# Altium PCB qfc.PcbDoc (part 12 of 13)
Units mil, origin at the board's own origin, x right, y up, seen from the top; angles counter-clockwise.
Board outline 1990 x 2620 mil, 4 copper layers (Top Layer, Mid-Layer 1, Mid-Layer 2, Bottom Layer); 217 components, 187 nets, 805 pads, 370 vias.
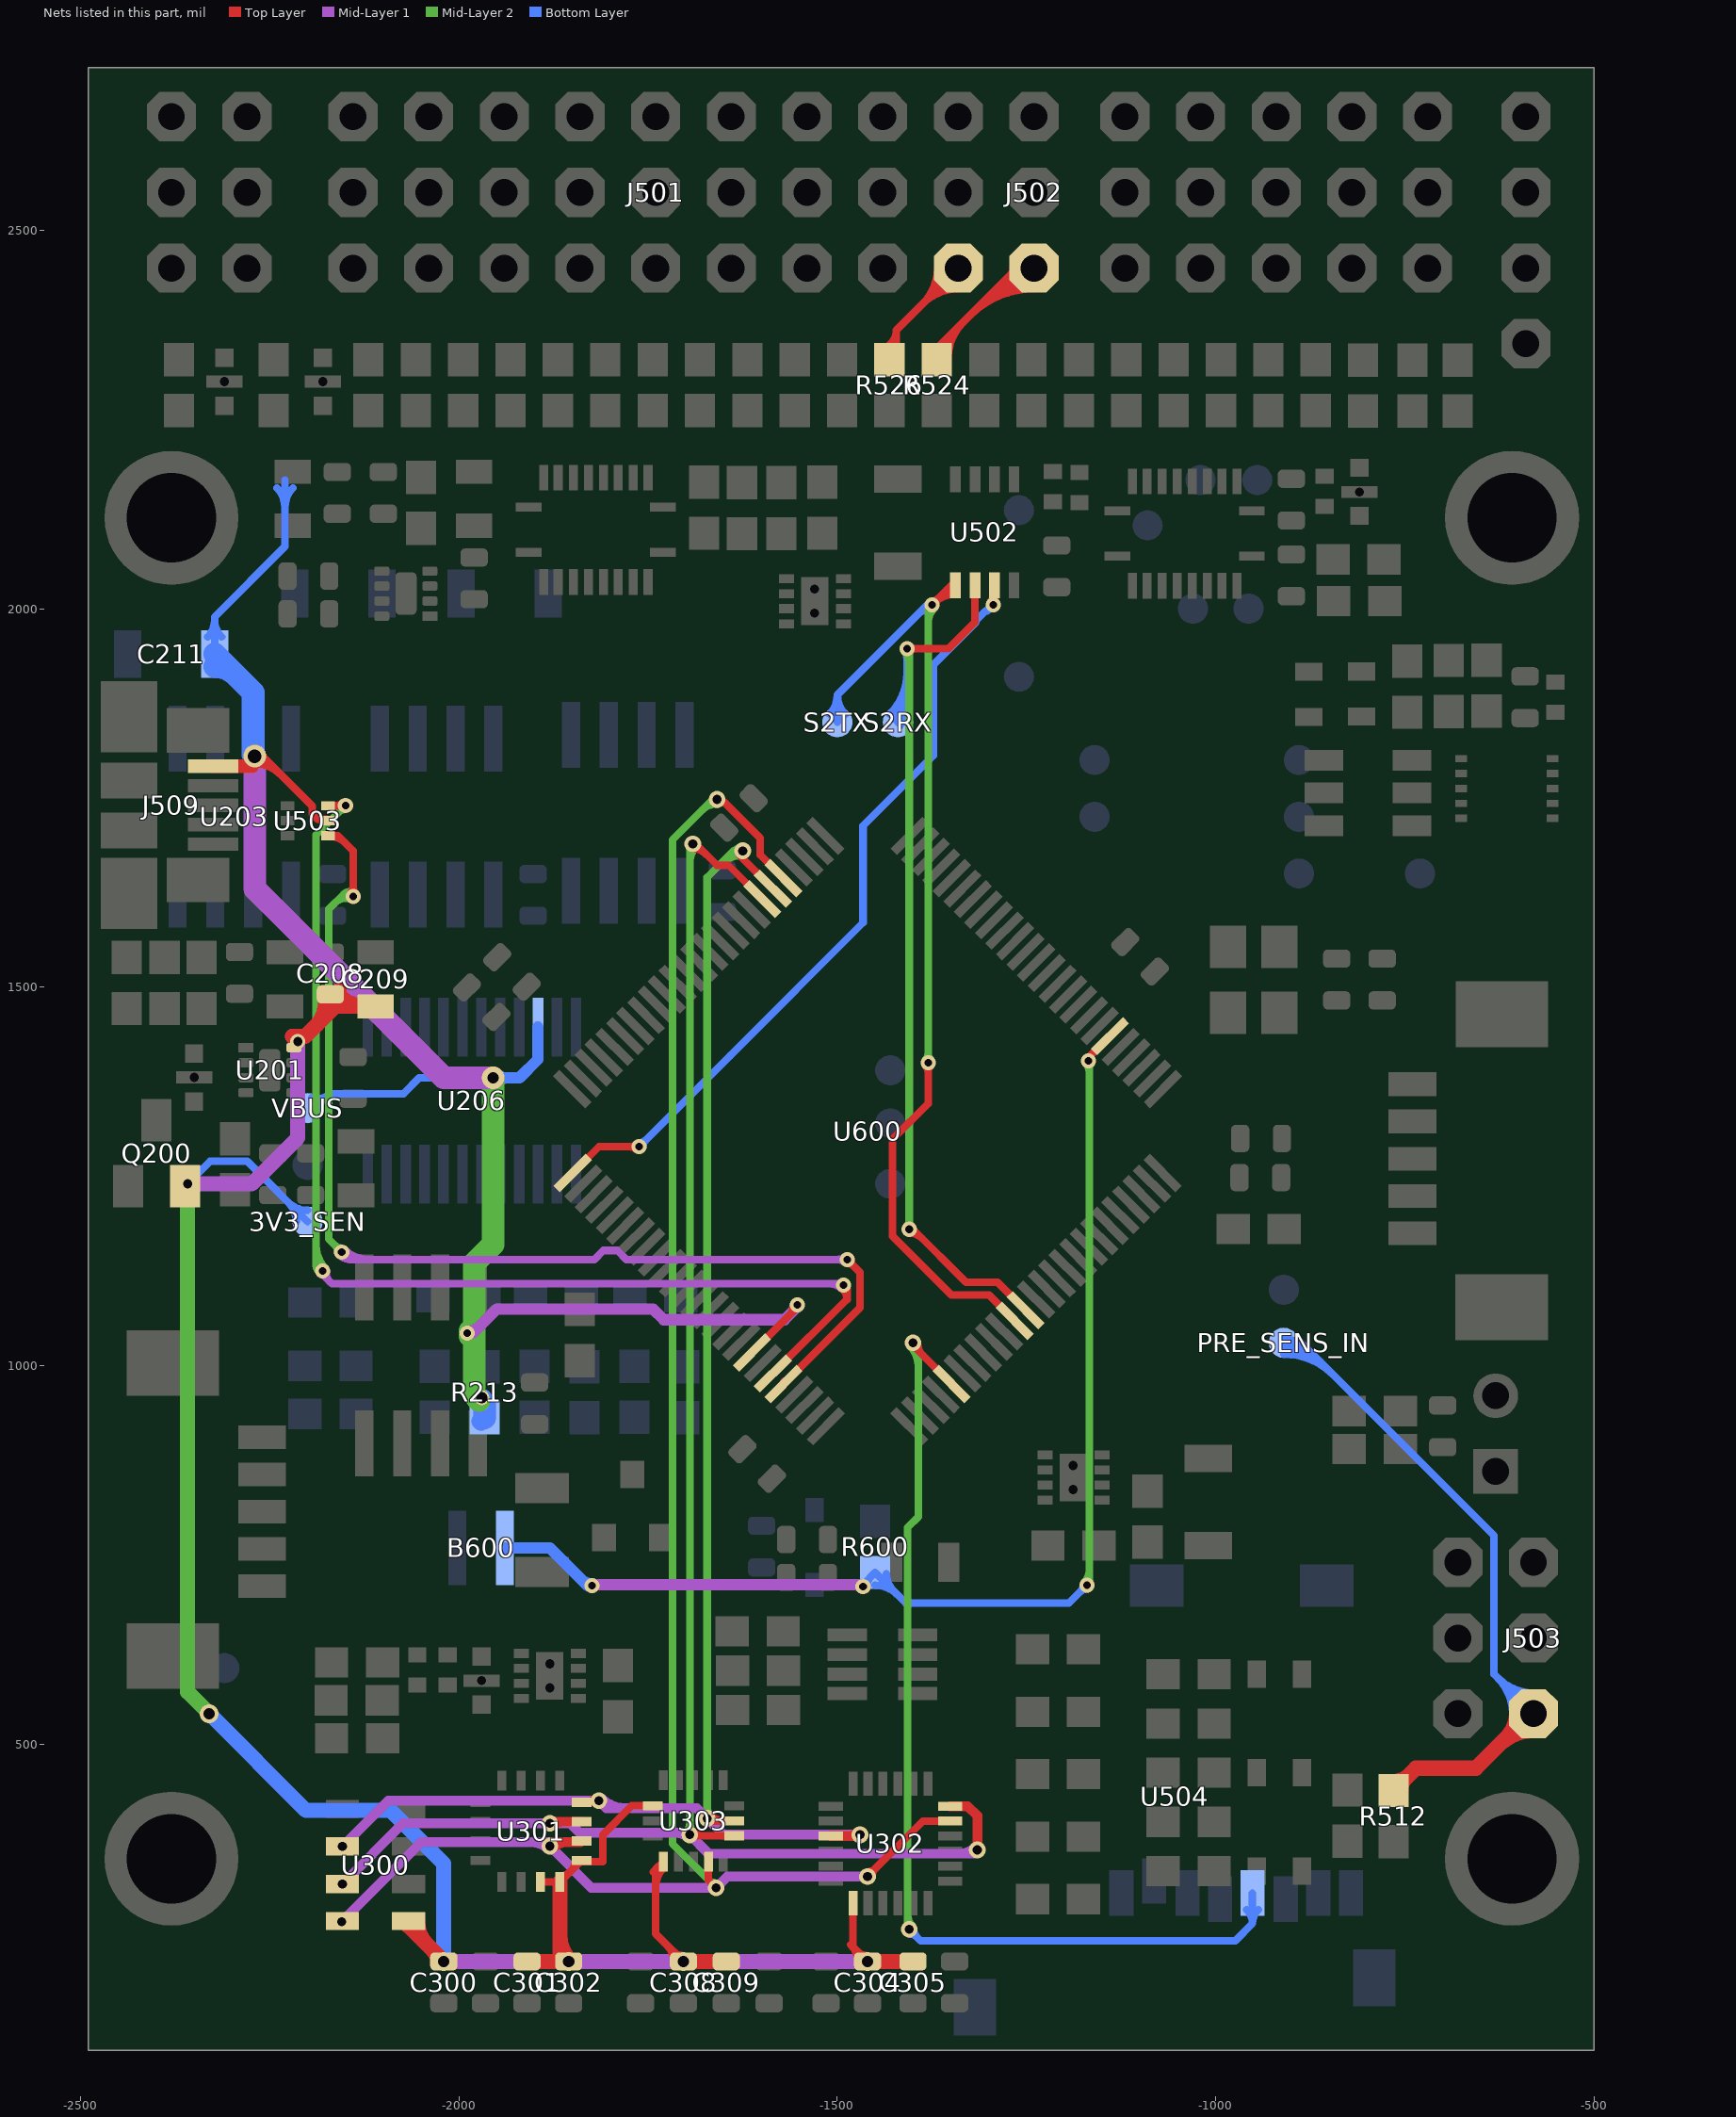
[diagram p14: the nets of this part, all layers, seen from the top]

## Via types
v1: diameter 20, hole 10, Top Layer to Bottom Layer, tented both sides, 256 vias
v2: diameter 22, hole 12, Top Layer to Bottom Layer, tented both sides, 31 vias
v3: diameter 25, hole 15, Top Layer to Bottom Layer, tented both sides, 29 vias
v4: diameter 20, hole 12, Top Layer to Bottom Layer, tented both sides, 17 vias
v5: diameter 30, hole 15, Top Layer to Bottom Layer, tented both sides, 12 vias
v6: diameter 25, hole 12, Top Layer to Bottom Layer, tented both sides, 11 vias
v7: diameter 25, hole 13, Top Layer to Bottom Layer, tented both sides, 5 vias
v8: diameter 40, hole 25, Top Layer to Bottom Layer, tented both sides, 2 vias
v9: diameter 23, hole 13, Top Layer to Bottom Layer, tented both sides, 2 vias
v10: diameter 30, hole 20, Top Layer to Bottom Layer, tented both sides, 2 vias
v11: diameter 20, hole 13, Top Layer to Bottom Layer, tented both sides, 1 vias
v12: diameter 20, hole 15, Top Layer to Bottom Layer, tented both sides, 1 vias
v13: diameter 30, hole 18, Top Layer to Bottom Layer, tented both sides, 1 vias

## Nets (pads, with @x,y where several pads share a name; then routed paths per layer and width w, separated by ;. In a path a pad name is that pad's centre, name@x,y a point inside that pad or via, vN(x,y) a via of type N, cw(c..) or ccw(c..) an arc to the next point about the centre after c; other vN are vias at no path point) (continued)
NetU502_7: U502.7 U600.51 | length 1389.2
  Top Layer w10: U600.51@-1849.77,1254.3 -1815.07,1289 v1(-1762,1289) ; v1(-1294,2005) U502.7@-1294,2029.2 ; -1774.07,1289 cw(c-1774.07,1276.93) v1@-1765.54,1285.46 ; -1774.07,1289 ccw(c-1774.07,1301.07) v1@-1765.54,1292.54 ; -1774.07,1289 cw(c-1774.07,1276.93) v1@-1765.54,1285.46 ; -1774.07,1289 ccw(c-1774.07,1301.07) v1@-1765.54,1292.54 ; -1774.07,1289 cw(c-1774.07,1276.93) v1@-1765.54,1285.46 ; -1774.07,1289 ccw(c-1774.07,1301.07) v1@-1765.54,1292.54 ; -1774.07,1289 cw(c-1774.07,1276.93) v1@-1765.54,1285.46 ; -1774.07,1289 ccw(c-1774.07,1301.07) v1@-1765.54,1292.54 ; v1@-1297.54,2008.54 ccw(c-1306.07,2017.07) U502.7@-1294,2017.07 ; v1@-1297.54,2008.54 ccw(c-1306.07,2017.07) U502.7@-1294,2017.07 ; v1@-1297.54,2008.54 ccw(c-1306.07,2017.07) U502.7@-1294,2017.07 ; v1@-1297.54,2008.54 ccw(c-1306.07,2017.07) U502.7@-1294,2017.07 ; v1@-1294,2011.83 cw(c-1283.04,2011.83) U502.7@-1290.79,2019.59 ; v1@-1294,2011.83 cw(c-1283.04,2011.83) U502.7@-1290.79,2019.59 ; v1@-1294,2011.83 cw(c-1283.04,2011.83) U502.7@-1290.79,2019.59 ; v1@-1294,2011.83 cw(c-1283.04,2011.83) U502.7@-1290.79,2019.59 ; U502.7@-1294,2017.07 ccw(c-1281.93,2017.07) v1@-1290.46,2008.54 ; U502.7@-1294,2017.07 ccw(c-1281.93,2017.07) v1@-1290.46,2008.54 ; U502.7@-1294,2017.07 ccw(c-1281.93,2017.07) v1@-1290.46,2008.54 ; U502.7@-1294,2017.07 ccw(c-1281.93,2017.07) v1@-1290.46,2008.54
  Bottom Layer w10: v1(-1762,1289) -1642,1409 -1642,1409.11 -1466,1585.11 -1466,1713 -1372.89,1806.11 -1372.89,1926.11 -1317,1982 -1317,1984.11 -1304.11,1997 -1302,1997 v1(-1294,2005) ; v1@-1762,1294 ccw(c-1762,1306.07) -1753.46,1297.54 ; v1@-1762,1294 ccw(c-1762,1306.07) -1753.46,1297.54 ; v1@-1762,1294 ccw(c-1762,1306.07) -1753.46,1297.54 ; v1@-1762,1294 ccw(c-1762,1306.07) -1753.46,1297.54 ; v1@-1757,1289 cw(c-1744.93,1289) -1753.46,1297.54 ; v1@-1757,1289 cw(c-1744.93,1289) -1753.46,1297.54 ; v1@-1757,1289 cw(c-1744.93,1289) -1753.46,1297.54 ; v1@-1757,1289 cw(c-1744.93,1289) -1753.46,1297.54 ; -1306.14,1994.97 cw(c-1294,1982.83) v1@-1294,2000 ; -1306.14,1994.97 cw(c-1294,1982.83) v1@-1294,2000 ; -1306.14,1994.97 cw(c-1294,1982.83) v1@-1294,2000 ; -1306.14,1994.97 cw(c-1294,1982.83) v1@-1294,2000 ; -1305.17,1995.94 cw(c-1295.27,1986.05) v1@-1294.34,2000.01 ; -1305.17,1995.94 cw(c-1295.27,1986.05) v1@-1294.34,2000.01 ; -1305.17,1995.94 cw(c-1295.27,1986.05) v1@-1294.34,2000.01
NetU503_4: U503.4 U600.71 | length 2393.1
  Top Layer w10: U503.4@-2173,1700 -2160,1700 -2140,1680 v1(-2140,1620) ; U600.71@-1571.02,978.37 U600.71@-1571.02,975.54 -1470,1076.55 -1470,1123 v1(-1487,1140) ; U503.4@-2170,1699 cw(c-2170,1672.44) -2151.22,1691.22 ; U503.4@-2170,1699 cw(c-2170,1672.44) -2151.22,1691.22 ; U503.4@-2170,1699 cw(c-2170,1672.44) -2151.22,1691.22 ; U503.4@-2170,1699 cw(c-2170,1672.44) -2151.22,1691.22 ; U503.4@-2169.75,1699.03 cw(c-2165.91,1684.09) -2155,1695 ; U503.4@-2169.75,1699.03 cw(c-2165.91,1684.09) -2155,1695 ; U503.4@-2169.75,1699.03 cw(c-2165.91,1684.09) -2155,1695 ; U503.4@-2169.75,1699.03 cw(c-2165.91,1684.09) -2155,1695 ; v1@-2143.54,1623.54 ccw(c-2152.07,1632.07) -2140,1632.07 ; v1@-2143.54,1623.54 ccw(c-2152.07,1632.07) -2140,1632.07 ; v1@-2143.54,1623.54 ccw(c-2152.07,1632.07) -2140,1632.07 ; v1@-2143.54,1623.54 ccw(c-2152.07,1632.07) -2140,1632.07 ; -2140,1632.07 ccw(c-2127.93,1632.07) v1@-2136.46,1623.54 ; -2140,1632.07 ccw(c-2127.93,1632.07) v1@-2136.46,1623.54 ; -2140,1632.07 ccw(c-2127.93,1632.07) v1@-2136.46,1623.54 ; -2140,1632.07 ccw(c-2127.93,1632.07) v1@-2136.46,1623.54 ; v1@-1487,1135 cw(c-1487,1122.93) -1478.46,1131.46 ; v1@-1487,1135 cw(c-1487,1122.93) -1478.46,1131.46 ; v1@-1487,1135 cw(c-1487,1122.93) -1478.46,1131.46 ; v1@-1487,1135 cw(c-1487,1122.93) -1478.46,1131.46 ; v1@-1482,1140 ccw(c-1469.93,1140) -1478.46,1131.46 ; v1@-1482,1140 ccw(c-1469.93,1140) -1478.46,1131.46 ; v1@-1482,1140 ccw(c-1469.93,1140) -1478.46,1131.46 ; v1@-1482,1140 ccw(c-1469.93,1140) -1478.46,1131.46
  Mid-Layer 1 w10: v1(-2155,1150) -2145,1140 -1821.11,1140 -1809.11,1152 -1790.89,1152 -1778.89,1140 v1(-1487,1140) ; v1@-2158.54,1146.46 ccw(c-2142.93,1162.07) -2142.93,1140 ; v1@-2158.54,1146.46 ccw(c-2142.93,1162.07) -2142.93,1140 ; v1@-2158.54,1146.46 ccw(c-2142.93,1162.07) -2142.93,1140 ; v1@-2158.54,1146.46 ccw(c-2142.93,1162.07) -2142.93,1140 ; v1@-2151.46,1153.54 ccw(c-2118.79,1186.21) -2118.79,1140 ; v1@-2151.46,1153.54 ccw(c-2118.79,1186.21) -2118.79,1140 ; v1@-2151.46,1153.54 ccw(c-2118.79,1186.21) -2118.79,1140 ; v1@-2151.46,1153.54 ccw(c-2118.79,1186.21) -2118.79,1140 ; -1499.07,1140 cw(c-1499.07,1127.93) v1@-1490.54,1136.46 ; -1499.07,1140 ccw(c-1499.07,1152.07) v1@-1490.54,1143.54 ; -1499.07,1140 cw(c-1499.07,1127.93) v1@-1490.54,1136.46 ; -1499.07,1140 ccw(c-1499.07,1152.07) v1@-1490.54,1143.54 ; -1499.07,1140 cw(c-1499.07,1127.93) v1@-1490.54,1136.46 ; -1499.07,1140 ccw(c-1499.07,1152.07) v1@-1490.54,1143.54 ; -1499.07,1140 cw(c-1499.07,1127.93) v1@-1490.54,1136.46 ; -1499.07,1140 ccw(c-1499.07,1152.07) v1@-1490.54,1143.54
  Mid-Layer 2 w10: v1(-2155,1150) -2172,1167 -2172,1603 -2155,1620 v1(-2140,1620) ; -2163.54,1158.54 cw(c-2172.07,1150) v1@-2160,1150 ; -2163.54,1158.54 ccw(c-2155,1167.07) v1@-2155,1155 ; -2163.54,1158.54 cw(c-2172.07,1150) v1@-2160,1150 ; -2163.54,1158.54 ccw(c-2155,1167.07) v1@-2155,1155 ; -2163.54,1158.54 cw(c-2172.07,1150) v1@-2160,1150 ; -2163.54,1158.54 ccw(c-2155,1167.07) v1@-2155,1155 ; -2163.54,1158.54 cw(c-2172.07,1150) v1@-2160,1150 ; -2163.54,1158.54 ccw(c-2155,1167.07) v1@-2155,1155 ; -2162.5,1612.5 cw(c-2150.32,1600.32) v1@-2142.32,1615.57 ; -2162.5,1612.5 cw(c-2150.32,1600.32) v1@-2142.32,1615.57 ; -2162.5,1612.5 cw(c-2150.32,1600.32) v1@-2142.32,1615.57 ; -2162.5,1612.5 cw(c-2150.32,1600.32) v1@-2142.32,1615.57 ; -2152.89,1622.11 cw(c-2143.71,1612.93) v1@-2137.68,1624.43 ; -2152.89,1622.11 cw(c-2143.71,1612.93) v1@-2137.68,1624.43 ; -2152.89,1622.11 cw(c-2143.71,1612.93) v1@-2137.68,1624.43 ; -2152.89,1622.11 cw(c-2143.71,1612.93) v1@-2137.68,1624.43 ; -2152.07,1620 cw(c-2152.07,1607.93) v1@-2143.54,1616.46 ; -2152.07,1620 ccw(c-2152.07,1632.07) v1@-2143.54,1623.54 ; -2152.07,1620 cw(c-2152.07,1607.93) v1@-2143.54,1616.46 ; -2152.07,1620 ccw(c-2152.07,1632.07) v1@-2143.54,1623.54 ; -2152.07,1620 cw(c-2152.07,1607.93) v1@-2143.54,1616.46 ; -2152.07,1620 ccw(c-2152.07,1632.07) v1@-2143.54,1623.54 ; -2152.07,1620 cw(c-2152.07,1607.93) v1@-2143.54,1616.46 ; -2152.07,1620 ccw(c-2152.07,1632.07) v1@-2143.54,1623.54
NetU503_6: U503.6 U600.70 | length 2046
  Top Layer w10: U503.6@-2173,1739.68 v1@-2150.32,1739.68 ; U600.70@-1585.16,989.68 -1487,1087.84 -1487,1101 v1(-1492,1106) ; -2162.84,1739.68 ccw(c-2162.84,1752.84) v1@-2153.54,1743.54 ; -2162.84,1739.68 ccw(c-2162.84,1752.84) v1@-2153.54,1743.54 ; -2162.84,1739.68 ccw(c-2162.84,1752.84) v1@-2153.54,1743.54 ; -2162.84,1739.68 ccw(c-2162.84,1752.84) v1@-2153.54,1743.54 ; -2161.31,1739.68 cw(c-2161.31,1728.69) v1@-2153.54,1736.46 ; -2161.31,1739.68 cw(c-2161.31,1728.69) v1@-2153.54,1736.46 ; -2161.31,1739.68 cw(c-2161.31,1728.69) v1@-2153.54,1736.46 ; -2161.31,1739.68 cw(c-2161.31,1728.69) v1@-2153.54,1736.46 ; v1@-1494.8,1101.86 cw(c-1504.74,1087.16) -1487,1087.16 ; v1@-1494.8,1101.86 cw(c-1504.74,1087.16) -1487,1087.16 ; v1@-1494.8,1101.86 cw(c-1504.74,1087.16) -1487,1087.16 ; v1@-1494.8,1101.86 cw(c-1504.74,1087.16) -1487,1087.16
  Mid-Layer 1 w10: v1@-2180,1120 -2168,1108 -1493,1108 -1492,1107 -1491,1107 v1(-1492,1106) ; v1@-2175.05,1124.27 ccw(c-2159.09,1121.91) -2170.5,1110.5 ; v1@-2175.05,1124.27 ccw(c-2159.09,1121.91) -2170.5,1110.5 ; v1@-2175.05,1124.27 ccw(c-2159.09,1121.91) -2170.5,1110.5 ; v1@-2175.05,1124.27 ccw(c-2159.09,1121.91) -2170.5,1110.5 ; -1508.9,1108 cw(c-1508.9,1089.1) v1@-1495.54,1102.46 ; -1508.9,1108 cw(c-1508.9,1089.1) v1@-1495.54,1102.46 ; -1508.9,1108 cw(c-1508.9,1089.1) v1@-1495.54,1102.46 ; -1508.9,1108 cw(c-1508.9,1089.1) v1@-1495.54,1102.46
  Mid-Layer 2 w10: v1(-2180,1125) -2189,1134 -2189,1701 v1(-2150,1740) ; -2189,1134.66 ccw(c-2170.34,1134.66) v1@-2183.54,1121.46 ; -2189,1134.66 ccw(c-2170.34,1134.66) v1@-2183.54,1121.46 ; -2189,1134.66 ccw(c-2170.34,1134.66) v1@-2183.54,1121.46 ; -2189,1134.66 ccw(c-2170.34,1134.66) v1@-2183.54,1121.46 ; -2189,1158.8 ccw(c-2146.2,1158.8) v1@-2176.46,1128.54 ; -2189,1158.8 ccw(c-2146.2,1158.8) v1@-2176.46,1128.54 ; -2189,1158.8 ccw(c-2146.2,1158.8) v1@-2176.46,1128.54 ; -2189,1158.8 ccw(c-2146.2,1158.8) v1@-2176.46,1128.54 ; -2158.54,1731.46 cw(c-2150,1722.93) v1@-2150,1735 ; -2158.54,1731.46 ccw(c-2167.07,1740) v1@-2155,1740 ; -2158.54,1731.46 cw(c-2150,1722.93) v1@-2150,1735 ; -2158.54,1731.46 ccw(c-2167.07,1740) v1@-2155,1740 ; -2158.54,1731.46 cw(c-2150,1722.93) v1@-2150,1735 ; -2158.54,1731.46 ccw(c-2167.07,1740) v1@-2155,1740 ; -2158.54,1731.46 cw(c-2150,1722.93) v1@-2150,1735 ; -2158.54,1731.46 ccw(c-2167.07,1740) v1@-2155,1740
NetU504_5: U504.5 U600.80 | length 1817.1
  Top Layer w10: v2@-1400,1026.56 U600.80@-1348.98,975.54 ; v2@-1394,1030 ccw(c-1371.2,1030) -1387.32,1013.88 ; v2@-1394,1030 ccw(c-1371.2,1030) -1387.32,1013.88 ; v2@-1394,1030 ccw(c-1371.2,1030) -1387.32,1013.88 ; v2@-1394,1030 ccw(c-1371.2,1030) -1387.32,1013.88
  Mid-Layer 2 w10: v2(-1405,255) -1407,257 -1407,786 -1393,800 -1393,1023 v2(-1400,1030) ; -1407,274.31 ccw(c-1385.69,274.31) v2@-1400.76,259.24 ; -1407,274.31 ccw(c-1385.69,274.31) v2@-1400.76,259.24 ; -1407,274.31 ccw(c-1385.69,274.31) v2@-1400.76,259.24 ; -1407,274.31 ccw(c-1385.69,274.31) v2@-1400.76,259.24 ; v2@-1404.24,1025.76 cw(c-1431.38,998.62) -1393,998.62 ; v2@-1404.24,1025.76 cw(c-1431.38,998.62) -1393,998.62 ; v2@-1404.24,1025.76 cw(c-1431.38,998.62) -1393,998.62 ; v2@-1404.24,1025.76 cw(c-1431.38,998.62) -1393,998.62
  Bottom Layer w10: v2(-1405,255) -1390,240 -974,240 -951.32,262.68 ; U504.5@-951.32,303 -951.32,262.68 ; v2@-1405,249 cw(c-1405,234.51) -1394.76,244.76 ; v2@-1405,249 cw(c-1405,234.51) -1394.76,244.76 ; v2@-1405,249 cw(c-1405,234.51) -1394.76,244.76 ; v2@-1399,255 ccw(c-1384.51,255) -1394.76,244.76 ; v2@-1399,255 ccw(c-1384.51,255) -1394.76,244.76 ; v2@-1399,255 ccw(c-1384.51,255) -1394.76,244.76 ; U504.5@-959.04,281.17 cw(c-977.29,262.69) -951.32,262.69 ; U504.5@-959.04,281.17 cw(c-977.29,262.69) -951.32,262.69 ; U504.5@-959.04,281.17 cw(c-977.29,262.69) -951.32,262.69 ; -951.32,262.69 cw(c-925.34,262.69) U504.5@-943.59,281.17 ; -951.32,262.69 cw(c-925.34,262.69) U504.5@-943.59,281.17 ; -951.32,262.69 cw(c-925.34,262.69) U504.5@-943.59,281.17
PPM/SBUS_IN: J502.1 R524.2 | length 1616.5
  Top Layer w10: R524.2@-1368.52,2329 -1368.52,2343.48 -1262,2450 J502.1@-1240,2450 ; R524.2@-1363.52,2331 cw(c-1321.32,2331) -1351.16,2360.84 ; R524.2@-1363.52,2331 cw(c-1321.32,2331) -1351.16,2360.84 ; R524.2@-1363.52,2331 cw(c-1321.32,2331) -1351.16,2360.84 ; R524.2@-1363.52,2331 cw(c-1321.32,2331) -1351.16,2360.84 ; R524.2@-1353.52,2331 cw(c-1287.18,2331) -1334.09,2377.91 ; R524.2@-1353.52,2331 cw(c-1287.18,2331) -1334.09,2377.91 ; R524.2@-1353.52,2331 cw(c-1287.18,2331) -1334.09,2377.91 ; R524.2@-1353.52,2331 cw(c-1287.18,2331) -1334.09,2377.91 ; -1324.5,2387.5 cw(c-1240,2303) J502.1@-1240,2422.5 ; -1324.5,2387.5 cw(c-1240,2303) J502.1@-1240,2422.5 ; -1324.5,2387.5 cw(c-1240,2303) J502.1@-1240,2422.5 ; -1324.5,2387.5 cw(c-1240,2303) J502.1@-1240,2422.5 ; -1307.43,2404.57 cw(c-1240,2337.14) J502.1@-1240,2432.5 ; -1307.43,2404.57 cw(c-1240,2337.14) J502.1@-1240,2432.5 ; -1307.43,2404.57 cw(c-1240,2337.14) J502.1@-1240,2432.5 ; -1307.43,2404.57 cw(c-1240,2337.14) J502.1@-1240,2432.5 ; -1290.36,2421.64 cw(c-1240,2371.28) J502.1@-1240,2442.5 ; -1290.36,2421.64 cw(c-1240,2371.28) J502.1@-1240,2442.5 ; -1290.36,2421.64 cw(c-1240,2371.28) J502.1@-1240,2442.5 ; -1290.36,2421.64 cw(c-1240,2371.28) J502.1@-1240,2442.5 ; -1273.29,2438.71 cw(c-1240,2405.43) J502.1@-1240,2452.5 ; -1273.29,2438.71 cw(c-1240,2405.43) J502.1@-1240,2452.5 ; -1273.29,2438.71 cw(c-1240,2405.43) J502.1@-1240,2452.5 ; -1273.29,2438.71 cw(c-1240,2405.43) J502.1@-1240,2452.5 ; J502.1@-1271.39,2440.61 ccw(c-1280.78,2450) J502.1@-1267.5,2450 ; J502.1@-1271.39,2440.61 ccw(c-1280.78,2450) J502.1@-1267.5,2450 ; J502.1@-1271.39,2440.61 ccw(c-1280.78,2450) J502.1@-1267.5,2450 ; J502.1@-1271.39,2440.61 ccw(c-1280.78,2450) J502.1@-1267.5,2450
PRESSURE_SENS_IN: J503.1 PRE_SENS_IN.P$1 R512.1 | length 2555.5
  Top Layer w20: R512.1@-765,438.43 -735.43,468 -656,468 J503.1@-584,540 ; J503.1@-582,538 J503.1@-580,540 ; R512.1@-765,450.43 ccw(c-765,479.4) -744.51,458.91 ; R512.1@-765,450.43 ccw(c-765,479.4) -744.51,458.91 ; R512.1@-765,450.43 ccw(c-765,479.4) -744.51,458.91 ; R512.1@-755,440.43 cw(c-735.69,440.43) R512.1@-749.34,454.08 ; R512.1@-755,440.43 cw(c-735.69,440.43) R512.1@-749.34,454.08 ; R512.1@-755,440.43 cw(c-735.69,440.43) R512.1@-749.34,454.08 ; -625.24,498.76 cw(c-580,453.53) J503.1@-580,517.5 ; -625.24,498.76 cw(c-580,453.53) J503.1@-580,517.5 ; -625.24,498.76 cw(c-580,453.53) J503.1@-580,517.5 ; -615.58,508.42 ccw(c-647.16,540) J503.1@-602.5,540 ; -615.58,508.42 ccw(c-647.16,540) J503.1@-602.5,540 ; -615.58,508.42 ccw(c-647.16,540) J503.1@-602.5,540
  Bottom Layer w10: PRE_SENS_IN.P$1@-910,1030 -887,1030 -632,775 -632,592 J503.1@-580,540 ; PRE_SENS_IN.P$1@-910,1015 cw(c-910,923.26) -845.13,988.13 ; PRE_SENS_IN.P$1@-910,1015 cw(c-910,923.26) -845.13,988.13 ; PRE_SENS_IN.P$1@-910,1015 cw(c-910,923.26) -845.13,988.13 ; PRE_SENS_IN.P$1@-910,1015 cw(c-910,923.26) -845.13,988.13 ; PRE_SENS_IN.P$1@-910,1025 cw(c-910,957.4) -862.2,1005.2 ; PRE_SENS_IN.P$1@-910,1025 cw(c-910,957.4) -862.2,1005.2 ; PRE_SENS_IN.P$1@-910,1025 cw(c-910,957.4) -862.2,1005.2 ; PRE_SENS_IN.P$1@-910,1025 cw(c-910,957.4) -862.2,1005.2 ; PRE_SENS_IN.P$1@-910,1035 cw(c-910,991.54) -879.27,1022.27 ; PRE_SENS_IN.P$1@-910,1035 cw(c-910,991.54) -879.27,1022.27 ; PRE_SENS_IN.P$1@-910,1035 cw(c-910,991.54) -879.27,1022.27 ; PRE_SENS_IN.P$1@-910,1035 cw(c-910,991.54) -879.27,1022.27 ; -626.95,586.95 cw(c-673.89,540) J503.1@-607.5,540 ; -626.95,586.95 ccw(c-580,633.89) J503.1@-580,567.5 ; -626.95,586.95 cw(c-673.89,540) J503.1@-607.5,540 ; -626.95,586.95 ccw(c-580,633.89) J503.1@-580,567.5 ; -626.95,586.95 cw(c-673.89,540) J503.1@-607.5,540 ; -626.95,586.95 ccw(c-580,633.89) J503.1@-580,567.5 ; -626.95,586.95 cw(c-673.89,540) J503.1@-607.5,540 ; -626.95,586.95 ccw(c-580,633.89) J503.1@-580,567.5 ; -609.87,569.88 cw(c-639.75,540) J503.1@-597.5,540 ; -609.87,569.88 ccw(c-580,599.75) J503.1@-580,557.5 ; -609.87,569.88 cw(c-639.75,540) J503.1@-597.5,540 ; -609.87,569.88 ccw(c-580,599.75) J503.1@-580,557.5 ; -609.87,569.88 cw(c-639.75,540) J503.1@-597.5,540 ; -609.87,569.88 ccw(c-580,599.75) J503.1@-580,557.5 ; -609.87,569.88 cw(c-639.75,540) J503.1@-597.5,540 ; -609.87,569.88 ccw(c-580,599.75) J503.1@-580,557.5
SBUS_INPUT: S2RX.P$1 U502.6 U600.87 | length 2096
  Top Layer w10: v1(-1408,1947) -1353,1947 -1318,1982 U502.6@-1318,2031 ; v1(-1405,1180) -1400,1180 -1330,1110 -1288.28,1110 U600.87@-1251.4,1073.12 ; v1@-1405,1175 cw(c-1405,1150.86) -1387.93,1167.93 ; v1@-1405,1175 cw(c-1405,1150.86) -1387.93,1167.93 ; v1@-1405,1175 cw(c-1405,1150.86) -1387.93,1167.93 ; v1@-1405,1175 cw(c-1405,1150.86) -1387.93,1167.93 ; v1@-1404.46,1943.46 cw(c-1395.93,1934.93) -1395.93,1947 ; v1@-1404.46,1943.46 cw(c-1395.93,1934.93) -1395.93,1947 ; v1@-1404.46,1943.46 cw(c-1395.93,1934.93) -1395.93,1947 ; v1@-1404.46,1943.46 cw(c-1395.93,1934.93) -1395.93,1947 ; v1@-1404.46,1950.54 ccw(c-1395.93,1959.07) -1395.93,1947 ; v1@-1404.46,1950.54 ccw(c-1395.93,1959.07) -1395.93,1947 ; v1@-1404.46,1950.54 ccw(c-1395.93,1959.07) -1395.93,1947 ; v1@-1404.46,1950.54 ccw(c-1395.93,1959.07) -1395.93,1947
  Mid-Layer 2 w10: v1(-1408,1947) -1405,1944 v1(-1405,1180) ; v1@-1411.54,1943.46 cw(c-1427.31,1927.69) -1405,1927.69 ; v1@-1411.54,1943.46 cw(c-1427.31,1927.69) -1405,1927.69 ; v1@-1411.54,1943.46 cw(c-1427.31,1927.69) -1405,1927.69 ; v1@-1411.54,1943.46 cw(c-1427.31,1927.69) -1405,1927.69 ; v1@-1408.54,1183.54 ccw(c-1417.07,1192.07) -1405,1192.07 ; v1@-1408.54,1183.54 ccw(c-1417.07,1192.07) -1405,1192.07 ; v1@-1408.54,1183.54 ccw(c-1417.07,1192.07) -1405,1192.07 ; v1@-1408.54,1183.54 ccw(c-1417.07,1192.07) -1405,1192.07 ; -1405,1192.07 ccw(c-1392.93,1192.07) v1@-1401.46,1183.54 ; -1405,1192.07 ccw(c-1392.93,1192.07) v1@-1401.46,1183.54 ; -1405,1192.07 ccw(c-1392.93,1192.07) v1@-1401.46,1183.54 ; -1405,1192.07 ccw(c-1392.93,1192.07) v1@-1401.46,1183.54
  Bottom Layer w10: S2RX.P$1@-1420,1850 -1408,1862 v1(-1408,1947) v1@-1408,1948 ; S2RX.P$1@-1430.61,1860.61 ccw(c-1485.18,1915.18) -1408,1915.18 ; S2RX.P$1@-1430.61,1860.61 ccw(c-1485.18,1915.18) -1408,1915.18 ; S2RX.P$1@-1430.61,1860.61 ccw(c-1485.18,1915.18) -1408,1915.18 ; S2RX.P$1@-1430.61,1860.61 ccw(c-1485.18,1915.18) -1408,1915.18 ; S2RX.P$1@-1423.54,1853.54 ccw(c-1461.04,1891.04) -1408,1891.04 ; S2RX.P$1@-1423.54,1853.54 ccw(c-1461.04,1891.04) -1408,1891.04 ; S2RX.P$1@-1423.54,1853.54 ccw(c-1461.04,1891.04) -1408,1891.04 ; S2RX.P$1@-1423.54,1853.54 ccw(c-1461.04,1891.04) -1408,1891.04 ; S2RX.P$1@-1416.46,1846.46 ccw(c-1436.9,1866.9) -1408,1866.9 ; S2RX.P$1@-1416.46,1846.46 ccw(c-1436.9,1866.9) -1408,1866.9 ; S2RX.P$1@-1416.46,1846.46 ccw(c-1436.9,1866.9) -1408,1866.9 ; S2RX.P$1@-1416.46,1846.46 ccw(c-1436.9,1866.9) -1408,1866.9 ; v1@-1411.54,1943.46 cw(c-1420.07,1934.93) -1408,1934.93 ; v1@-1411.54,1943.46 cw(c-1420.07,1934.93) -1408,1934.93 ; v1@-1411.54,1943.46 cw(c-1420.07,1934.93) -1408,1934.93 ; v1@-1411.54,1943.46 cw(c-1420.07,1934.93) -1408,1934.93 ; -1408,1934.93 cw(c-1395.93,1934.93) v1@-1404.46,1943.46 ; -1408,1934.93 cw(c-1395.93,1934.93) v1@-1404.46,1943.46 ; -1408,1934.93 cw(c-1395.93,1934.93) v1@-1404.46,1943.46 ; -1408,1934.93 cw(c-1395.93,1934.93) v1@-1404.46,1943.46
SBUS_OUT: J501.9 R526.2 | length 1045.2
  Top Layer w10: R526.2@-1431.11,2329 -1422,2338.11 -1422,2368 ; J501.9@-1340,2450 -1422,2368 ; R526.2@-1437.17,2344.72 ccw(c-1447.44,2368) -1422,2368 ; R526.2@-1437.17,2344.72 ccw(c-1447.44,2368) -1422,2368 ; R526.2@-1437.17,2344.72 ccw(c-1447.44,2368) -1422,2368 ; R526.2@-1437.17,2344.72 ccw(c-1447.44,2368) -1422,2368 ; R526.2@-1433.13,2335.58 ccw(c-1440.67,2352.66) -1422,2352.66 ; R526.2@-1433.13,2335.58 ccw(c-1440.67,2352.66) -1422,2352.66 ; R526.2@-1433.13,2335.58 ccw(c-1440.67,2352.66) -1422,2352.66 ; R526.2@-1433.13,2335.58 ccw(c-1440.67,2352.66) -1422,2352.66 ; -1386.95,2403.06 cw(c-1340,2356.11) J501.9@-1340,2422.5 ; -1386.95,2403.06 ccw(c-1433.89,2450) J501.9@-1367.5,2450 ; -1386.95,2403.06 cw(c-1340,2356.11) J501.9@-1340,2422.5 ; -1386.95,2403.06 ccw(c-1433.89,2450) J501.9@-1367.5,2450 ; -1386.95,2403.06 cw(c-1340,2356.11) J501.9@-1340,2422.5 ; -1386.95,2403.06 ccw(c-1433.89,2450) J501.9@-1367.5,2450 ; -1386.95,2403.06 cw(c-1340,2356.11) J501.9@-1340,2422.5 ; -1386.95,2403.06 ccw(c-1433.89,2450) J501.9@-1367.5,2450 ; -1369.87,2420.13 cw(c-1340,2390.25) J501.9@-1340,2432.5 ; -1369.87,2420.13 ccw(c-1399.75,2450) J501.9@-1357.5,2450 ; -1369.87,2420.13 cw(c-1340,2390.25) J501.9@-1340,2432.5 ; -1369.87,2420.13 ccw(c-1399.75,2450) J501.9@-1357.5,2450 ; -1369.87,2420.13 cw(c-1340,2390.25) J501.9@-1340,2432.5 ; -1369.87,2420.13 ccw(c-1399.75,2450) J501.9@-1357.5,2450 ; -1369.87,2420.13 cw(c-1340,2390.25) J501.9@-1340,2432.5 ; -1369.87,2420.13 ccw(c-1399.75,2450) J501.9@-1357.5,2450